# Altium PCB EVK-NORA-W1.PcbDoc (part 3 of 4)
Units mil, origin at the board's own origin, x right, y up, seen from the top; angles counter-clockwise.
Board outline 4300 x 2200 mil, 4 copper layers (L1, L2, L3, L4), stack 60.631 mil thick; 303 components, 180 nets, 998 pads, 676 vias.
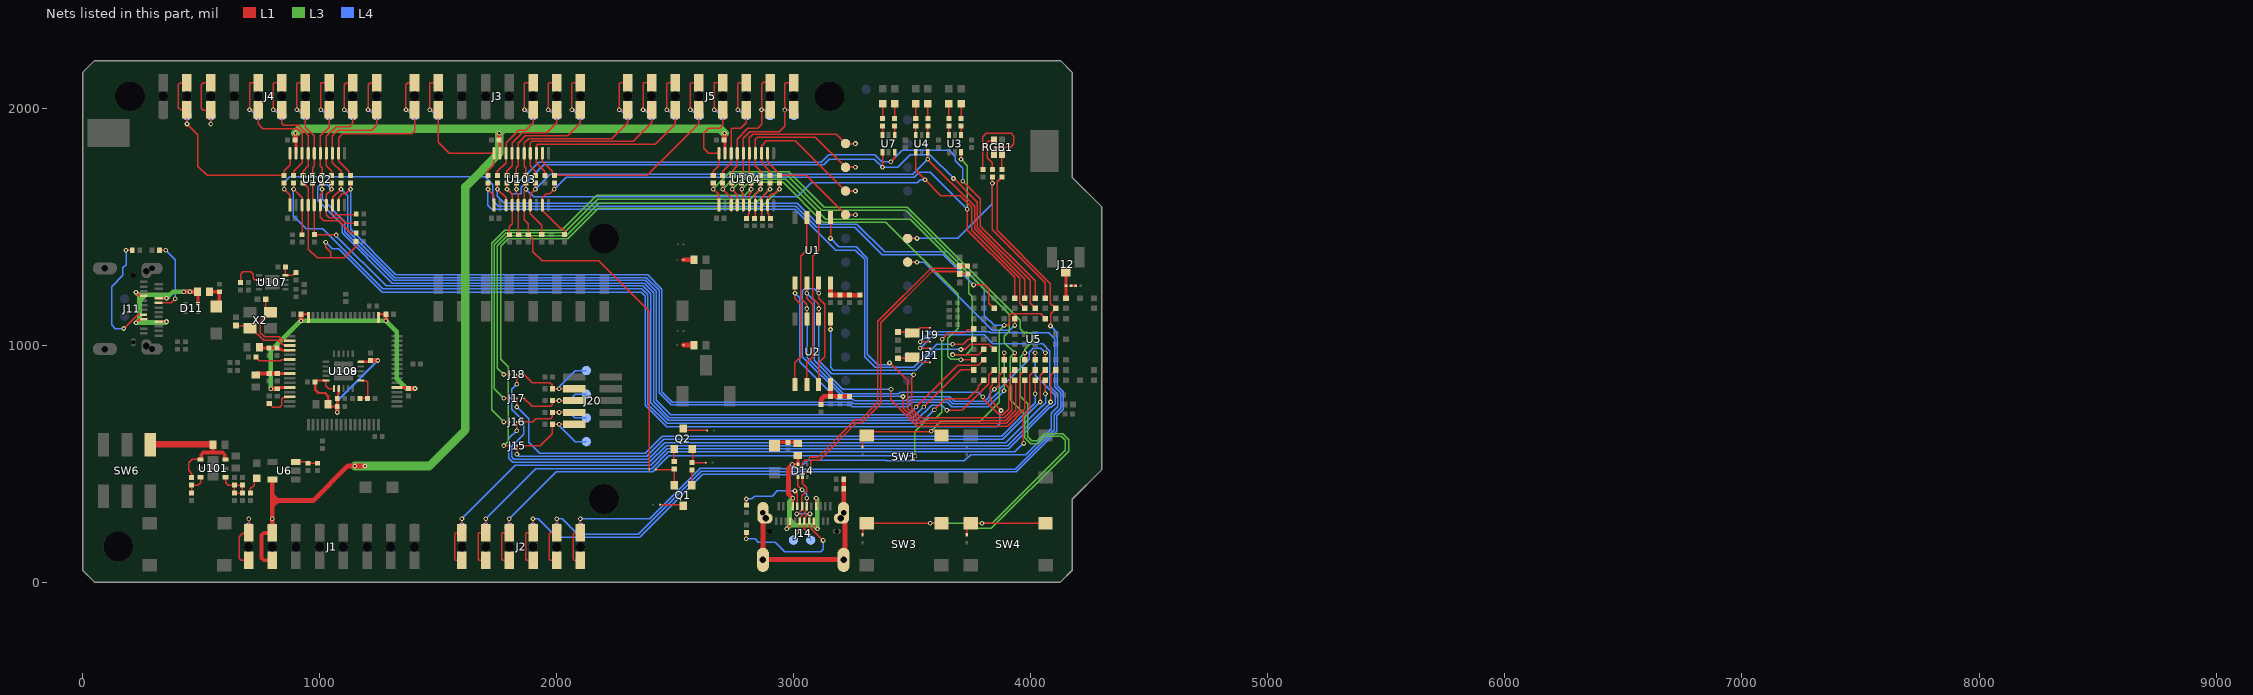
[diagram p5: the nets of this part, all layers, seen from the top]

## Via types
v1: diameter 20, hole 10, L1 to L4, 454 vias
v2: diameter 20, hole 10, L1 to L4, tented both sides, 203 vias
v3: diameter 19.68/19.68/19.68/19.68 (per signal layer), hole 11.81, L1 to L4, 19 vias

## Nets (pads, with @x,y where several pads share a name; then routed paths per layer and width w, separated by ;. In a path a pad name is that pad's centre, name@x,y a point inside that pad or via, vN(x,y) a via of type N, cw(c..) or ccw(c..) an arc to the next point about the centre after c; other vN are vias at no path point) (continued)
GPIO5/ADC1-CH4: J2.4 R77.1 TP24.1 U5.J8 | length 3923.7
  L1 w5.91: J2.4@1900,92.32 1872.46,92.32 1869,95.78 1869,204.22 1872.46,207.68 J2.4@1900,207.68 v2@1900,267 ; R77.1@3877,1709 3858,1690 3858,1483.7 4073.43,1268.28 4073.43,1268.11 4082.28,1259.25 4082.28,1177.56 U5.J8@4104.92,1154.92 4083,1133 v1(4083,1081)
  L4 w5.91: TP24.1@1900,230.32 1899.87,230.44 1899.87,266.87 v2(1899.75,267) 1922.95,267 1999.99,189.96 2349.66,189.96 2615.51,455.81 2934.89,455.81 2936.61,454.09 3031.39,454.09 3042.63,465.33 3938.41,465.33 4110,636.92 4110,701.89 4137.81,729.7 4137.81,803.3 4112.36,828.75 4112.36,1030.63 4110,1032.99 4110,1054 v1(4083,1081)
GPIO6/UART0-CTS: R23.2 R57.2 U4.3 U5.F9 U103.7 | length 2739.3
  L1 w5.91: R57.2@1910,1684.25 v1(1910,1658) 1888.39,1636.39 U103.7@1888.39,1590.73 1888.39,1554.35 1937,1505.73 R23.2@1937,1466.75 ; U4.3@3565.59,1813.58 v1(3565.59,1784) 3565.59,1782.78 3763,1585.37 3763,1490 3975,1278 U5.F9@3975,1198.23
  L4 w5.91: v1(1910,1658) 1973,1721 3502.59,1721 v1(3565.59,1784)
GPIO7/UART0-DSR: R30.2 R59.2 U3.3 U5.E9 U103.9 | length 2836.7
  L1 w5.91: R59.2@1990,1684.25 v1(1990,1658) 1970,1638 1955.03,1638 1939.57,1622.54 1939.57,1568.73 1943.32,1564.97 1943.32,1564.68 2015,1493 2023.54,1493 2027,1489.54 2027,1489 2033,1483 R30.2@2033,1466.75 ; v1(3705.59,1784) U3.3@3705.59,1813.58 ; v1(3732,1573) 3732,1485 3931.69,1285.31 U5.E9@3931.69,1198.23
  L3 w5.91: v1(3705.59,1784) 3732,1757.59 v1(3732,1573)
  L4 w5.91: v1(1990,1658) 2040,1708 3508,1708 3530,1730 3575,1730 v1(3732,1573)
GPIO8/ADC1-CH7: R79.1 TP108.1 TP612.1 U5.H9 | length 1148.5
  L1 w5.91: TP108.1@3480.31,1450 v1(3520,1450) ; R79.1@3838,1709.25 v1(3838,1683) 3838,1487 4061.61,1263.39 U5.H9@4061.61,1198.23
  L4 w5.91: TP612.1@3480.31,1450 v1(3520,1450) 3692,1450 3838,1596 v1(3838,1683)
GPIO9/ADC1-CH8: TP109.1 TP614.1 U5.E7 | length 646.8
  L1 w5.91: TP109.1@3480.31,1350 v1(3520,1350) ; v1(3931.69,1083) U5.E7@3931.69,1111.61
  L4 w5.91: TP614.1@3480.31,1350 v1(3520,1350) 3551,1350 3838,1063 3911.69,1063 v1(3931.69,1083)
GPIO10/FSPI-IO4: R51.2 U5.H3 U102.9 | length 3952.9
  L1 w5.91: U102.9@1079.57,1589.76 1079.57,1622.57 1095,1638 1110,1638 v1(1130,1658) R51.2@1130,1684.25 ; U5.H3@4061.61,938.39 v1(4061.61,967.28)
  L4 w5.91: v1(1130,1658) 1130,1488.33 1321.71,1296.62 2383.27,1296.62 2443.81,1236.08 2443.81,803.56 2487.8,759.57 3244.81,759.57 3251.85,752.52 3476.32,752.52 3493.61,769.81 3653.46,769.81 3671.46,751.81 3811.48,751.81 3868.1,808.43 3868.1,814.81 3993.86,940.57 3993.86,969.81 4010.19,986.14 4042.76,986.14 v1(4061.61,967.28)
GPIO11/ADC2-CH0: J2.1 TP21.1 U5.G3 | length 3251.3
  L1 w5.91: J2.1@1600,92.32 1572.46,92.32 1569,95.78 1569,204.22 1572.46,207.68 J2.1@1600,207.68 v2(1600,267) ; U5.G3@4018.31,938.39 v1@4018.31,967.28
  L4 w5.91: TP21.1@1600,230.32 v2(1600,267) 1826,493 2396,493 2466,563 3906.35,563 4080.35,737 4086.94,737 4102.13,752.19 4102.13,758.77 4102.38,759.03 4102.38,788.62 4018.31,872.69 v1@4018.31,967.28
  other v1: 4018,967.28
GPIO12/ADC2-CH1: J2.2 TP22.1 U5.G2 | length 3001.6
  L1 w5.91: J2.2@1700,92.32 1672.46,92.32 1669,95.78 1669,204.22 1672.46,207.68 J2.2@1700,207.68 v2(1700,267) ; v1(3969.83,585.17) 3969,586 3969,702.79 3995.67,729.46 3995.67,872.44 U5.G2@4018.31,895.08
  L4 w5.91: TP22.1@1700,230.32 v2(1700,267) 1912,479 2400,479 2471,550 3933,550 3968.17,585.17 v1(3969.83,585.17)
GPIO13/ADC2-CH2: J2.3 TP23.1 U5.A6 | length 2807.4
  L1 w5.91: J2.3@1800,92.32 1772.46,92.32 1769,95.78 1769,204.22 1772.46,207.68 J2.3@1800,207.68 v2@1800,267 ; v3(3626,1025) 3652.28,1051.28 3720.6,1051.28 3733.86,1064.54 3754.7,1064.54 U5.A6@3758.46,1068.31
  L3 w5.91: v3(3511,531.3) 3511,634.34 3569.66,693 3601,693 3625,717 3625,1024 v3(3626,1025)
  L4 w5.91: v2(1799.75,267) 1997.75,465 2404,465 2473,534 3500.65,534 3500.72,533.94 3508.36,533.94 v3(3511,531.3) ; TP23.1@1799.87,225.13 v2@1799.87,266.87
GPIO14/FSPI-DQS: R52.2 U5.A5 U103.1 | length 2794.8
  L1 w5.91: R52.2@1710,1683.28 v1(1710,1658) 1734.84,1633.16 U103.1@1734.84,1590.73 U103.1@1734.84,1588.79 ; v1(3670,1003.35) 3714.65,1003.35 3736.31,1025 U5.A5@3758.46,1025
  L4 w5.91: v1(1710,1658) 1710,1589 1726,1573 3004,1573 3176,1401 3260,1401 3299,1362 3299,951.67 3344.67,906 3506.78,906 3604.12,1003.35 v1(3670,1003.35)
GPIO15/ADC2-CH4: J2.5 J19.3 TP25.1 | length 3624.1
  L1 w5.91: J2.5@2000,92.32 1972.46,92.32 1969,95.78 1969,204.22 1972.46,207.68 J2.5@2000,207.68 v2(2000,267) ; v1(3533,1013) 3533.92,1013.92 J19.3@3575,1013.92
  L4 w5.91: TP25.1@2000,230.32 v2(2000,267) 2022.95,267 2088.18,201.77 2344.77,201.77 2610.62,467.62 2939.78,467.62 2941.5,465.91 3026.5,465.91 3037.74,477.14 3933.51,477.14 4098.19,641.82 4098.19,706.78 4126,734.59 4126,798.41 4100.55,823.86 4100.55,1025.74 4075.09,1051.19 3829.37,1051.19 3825.05,1055.51 3575.51,1055.51 v1(3533,1013)
GPIO16/ADC2-CH5: J2.6 J21.3 TP26.1 | length 3412.2
  L1 w5.91: J2.6@2100,92.32 2072.46,92.32 2069,95.78 2069,204.22 2072.46,207.68 J2.6@2100,207.68 v2@2100,267 ; v1(3533,987) 3533.92,986.08 J21.3@3575,986.08
  L4 w5.91: TP26.1@2100,230.32 2099.87,230.44 2099.87,266.87 v2(2099.75,267) 2393.3,267 2605.73,479.43 2944.68,479.43 2946.39,477.72 3021.61,477.72 3058.75,514.86 3388.21,514.86 3390.47,512.6 3719.93,512.6 3745.52,538.19 3977.86,538.19 4086.38,646.71 4086.38,711.67 4114.19,739.49 4114.19,793.51 4080.57,827.13 4080.57,975 4049.43,1006.14 3840.25,1006.14 3802.69,1043.7 3590.37,1043.7 3533.67,987 v1(3533,987)
GPIO17/I2C-SCL: R64.2 U5.A3 U104.5 | length 1610.6
  L1 w5.91: R64.2@2780,1684.25 v1(2780,1658) 2781.03,1656.97 2781.03,1644.17 2787.2,1638 U104.5@2787.2,1590.73 ; v1(3705,938.39) U5.A3@3758.46,938.39
  L3 w5.91: v1(2780,1658) 2809,1687 2955,1687 3123,1519 3388,1519 3693,1214 3693,1072 3650,1029 3650,953.37 3662.19,941.18 3694.49,941.18 3694.59,941.08 3702.3,941.08 v1(3705,938.39)
GPIO18/I2C-SDA: R63.2 U5.B4 U104.4 | length 1832.1
  L1 w5.91: v1@2740,1655.18 v1(2740,1658) ; R63.2@2740,1684.25 v1(2740,1658) ; U104.4@2761.61,1590.73 2761.61,1635 2740,1656.61 v1(2740,1658) ; v1(3670,960.04) 3780.12,960.04 U5.B4@3801.77,981.69
  L3 w5.91: v1(2740,1658) 2782,1700 2966,1700 3135,1531 3492,1531 3738,1285 3738,1219 3753,1204 3753,986.39 3726.65,960.04 v1(3670,960.04)
GPIO21: R43.2 U5.C8 U102.1 | length 3440.3
  L1 w5.91: R43.2@850,1684.25 v1(850,1658) 874.19,1633.81 874.19,1591.39 U102.1@874.84,1590.73 ; v1(3758.46,1254) 3801.77,1254 3822.44,1233.33 3822.44,1177.56 U5.C8@3845.08,1154.92
  L4 w5.91: v1(850,1658) 850,1686 874,1710 1698,1710 1731,1677 1731,1608 1753,1586 3009,1586 3097,1498 3257,1498 3374,1381 3630.46,1381 v1@3758.46,1253
GPIO33/FSPI-HD: R17.2 R50.2 U5.D3 U102.8 | length 3995.3
  L1 w5.91: R50.2@1090,1684.25 v1(1090,1658) 1055.41,1623.41 1055.41,1592.17 U102.8@1053.98,1590.73 1053.98,1555.02 1060,1549 1150.25,1549 R17.2@1154.25,1553 ; U5.D3@3888.39,938.39 v1(3888.39,967.28)
  L3 w5.91: v1(3886.95,807) 3888.39,808.43 v1(3888.39,967.28)
  L4 w5.91: v1@1090,1654.57 1093.43,1654.57 1118.19,1629.81 1118.19,1483.44 1316.82,1284.81 2378.38,1284.81 2432,1231.19 2432,798.67 2482.91,747.76 3239.91,747.76 3246.96,740.71 3481.21,740.71 3498.51,758 3648.44,758 3666.44,740 3819.95,740 v1(3886.95,807)
GPIO34/FSPI-CS0: R15.2 R48.2 U5.B3 U102.6 | length 3925.4
  L1 w5.91: R48.2@1010,1684.25 v1(1010,1658) 1010,1642 1002.8,1634.8 U102.6@1002.8,1590.73 1002.8,1539.2 1017,1525 1080,1525 1132,1473 R15.2@1154.25,1473 ; v3(3516,739.3) 3692.45,915.75 3779.13,915.75 U5.B3@3801.77,938.39
  L4 w5.91: v1(1010,1658) 1010,1617 1106.38,1520.62 1106.38,1478.55 1311.92,1273 2373.49,1273 2420.19,1226.3 2420.19,768.14 2481.19,707.14 3483.84,707.14 v3(3516,739.3)
GPIO35/FSPI-D: R13.2 R47.2 U5.C2 U102.5 | length 3808.4
  L1 w5.91: R47.2@970,1684.25 970,1617.92 977.2,1610.72 U102.5@977.2,1590.73 977.2,1466.95 R13.2@978.25,1465.91 ; R13.2@982.25,1465.91 v1@1070.24,1465.91 ; v1(3645.88,724.71) 3710.86,724.71 3822.44,836.29 3822.44,872.44 U5.C2@3845.08,895.08
  L4 w5.91: v1(1069.59,1464) 1069.59,1460.19 1074.9,1454.88 1074.9,1454.45 1279.97,1249.38 2363.7,1249.38 2396.57,1216.51 2396.57,756.03 2470.51,682.09 3517.32,682.09 3581.23,746 3624.59,746 v1(3645.88,724.71)
GPIO36/FSPI-CLK: R12.2 R44.2 U5.B1 U102.3 | length 3969.6
  L1 w5.91: R44.2@890,1684.25 v1(890,1658) 926.02,1621.98 R12.2@926.02,1465.77 ; v3(3593,727.3) 3638.76,773.06 3734.2,773.06 3777.32,816.19 3777.32,827.32 U5.B1@3801.77,851.77
  L4 w5.91: v1@889,1654.57 889,1545 944,1490 1012.7,1490 1265.14,1237.57 2358.81,1237.57 2384.76,1211.62 2384.76,751.13 2465.61,670.28 3535.98,670.28 v3(3593,727.3)
GPIO37/FSPI-Q: R14.2 R45.2 U5.C1 U102.4 | length 4275
  L1 w5.91: R45.2@930,1684.25 930.59,1684.25 951.61,1663.23 U102.4@951.61,1590.73 951.61,1405.22 989.28,1367.56 1046.13,1367.56 ; v1(1025,1434.25) 1025,1413 1046.13,1391.87 1046.13,1367.56 ; R14.2@1153.38,1436.41 1153.38,1416.72 1104.21,1367.56 1046.13,1367.56 ; U5.C1@3845.08,851.77 3836.22,842.91 3836.22,829.89 3828.14,821.81 3828.14,770.19 v1(3874.25,724.08)
  L4 w5.91: v1(1025,1434.25) 1053.31,1405.94 1080.06,1405.94 1263,1223 2356.67,1223 2372.94,1206.73 2372.94,746.05 2464,655 3855.49,655 3869,668.51 3869,715.01 3874.25,720.27 v1(3874.25,724.08)
GPIO38/FSPI-WP: R16.2 R49.2 U5.A2 U102.7 | length 3930.8
  L1 w5.91: R49.2@1050,1684.25 v1(1050,1658) 1050,1656.23 1028.39,1634.61 U102.7@1028.39,1590.73 1028.39,1549.61 1041,1537 1085.39,1537 1109.39,1513 R16.2@1154.25,1513 ; v3(3548.09,739.3) 3703.87,895.08 U5.A2@3758.46,895.08
  L4 w5.91: v1(1050,1658) 1031.14,1676.86 1002.19,1676.86 991.14,1665.81 991.14,1610.36 1094.57,1506.93 1094.57,1473.65 1307.03,1261.19 2368.6,1261.19 2408.38,1221.41 2408.38,760.92 2475.4,693.9 3502.69,693.9 v3(3548.09,739.3)
GPIO39: J16.3 R2.1 R65.2 U104.6 | length 2158
  L1 w5.91: v1(1776,676) J16.3@1801.92,676 ; R2.1@2800,1534.75 2800.48,1534.75 2807.76,1542.03 2807.76,1551.76 2812.8,1556.8 U104.6@2812.8,1590.73 2812.8,1636.8 2820,1644 v1@2820,1665.2 ; v1@2812.8,1658 v1@2820,1665.2 ; R65.2@2820,1684.25 v1@2820,1665.2
  L3 w5.91: v1(1776,676) 1725.19,726.81 1725.19,1429.19 1781,1485 2022,1485 2169,1632 2793,1632 2819,1658 v1(2820,1658)
GPIO39/JTAG-TCK: J16.2 U5.J2 | length 2709.7
  L1 w5.91: v1(1831,639) 1831,675.53 J16.2@1831.47,676 ; v1(4083.27,760) 4083.27,873.42 U5.J2@4104.92,895.08
  L4 w5.91: v1(1831,639) 1798.19,606.19 1798.19,523.11 1815.3,506 2391,506 2461,576 3902,576 4083.27,757.27 v1(4083.27,760)
GPIO40: J17.3 R3.1 R66.2 U104.7 | length 2068.7
  L1 w5.91: v1(1776,776) J17.3@1801.92,776 ; R3.1@2834,1534.75 2838.39,1539.13 U104.7@2838.39,1590.73 2838.39,1636.8 v1(2859.59,1658) ; v1@2860,1658 R66.2@2860,1683.28
  L3 w5.91: v1(1776,776) 1737,815 1737,1424 1786,1473 2032,1473 2174,1615 2816.59,1615 v1(2859.59,1658)
GPIO40/JTAG-TDO: J17.2 U5.G1 | length 2547.8
  L1 w5.91: v1(1831,739) 1831,775.53 J17.2@1831.47,776 ; v1(4018.31,795) U5.G1@4018.31,851.77
  L4 w5.91: v1(1831,739) 1881,689 1881,590 1928.19,542.81 2373.81,542.81 2446,615 3877.24,615 4018.31,756.06 v1(4018.31,795)
GPIO41: J18.3 R4.1 R67.2 U104.8 | length 1994.4
  L1 w5.91: v1(1776,876) J18.3@1801.92,876 ; R4.1@2868,1534.75 2863.98,1538.77 U104.8@2863.98,1590.73 2863.98,1622.39 v1(2899.59,1658) R67.2@2899.59,1683.84
  L3 w5.91: v1(1776,876) 1750,902 1750,1420 1791,1461 2041,1461 2178,1598 2839.59,1598 v1(2899.59,1658)
GPIO41/JTAG-TDI: J18.2 U5.H1 | length 2849.7
  L1 w5.91: v1(1831,835) 1831,875.53 J18.2@1831.47,876 ; v1(4061.61,795) U5.H1@4061.61,851.77
  L4 w5.91: v1(1831,835) 1810,814 1810,730 1861,679 1861,623.51 1810,572.51 1810,528 1819,519 2386,519 2456,589 3894.35,589 4046.49,741.14 4047.77,741.14 4058.82,752.19 4058.82,753.47 4062.48,757.13 4062.48,794.13 v1(4061.61,795)
GPIO42: J15.3 R1.1 R68.2 U104.9 | length 2346.6
  L1 w5.91: v1(1777,576) J15.3@1802.92,576 ; R1.1@2902,1534.75 2901.41,1534.75 2894.13,1542.03 2894.13,1551.87 2889.57,1556.43 U104.9@2889.57,1590.73 2889.57,1621.31 2906.26,1638 2919.59,1638 v1(2939.59,1658) R68.2@2939.59,1683.84
  L3 w5.91: v1(1777,576) 1795,594 1795,909 1763,941 1763,1416 1796,1449 2047,1449 2175,1577 2858.59,1577 v1(2939.59,1658)
GPIO42/JTAG-TMS: J15.2 U5.H2 | length 2487.2
  L1 w5.91: v1@1832.47,539 J15.2@1832.47,576 ; v1(4039.96,760) 4039.96,873.42 U5.H2@4061.61,895.08
  L4 w5.91: v1(1832,539) 1834.51,539 1842.51,531 2380,531 2451,602 3881.96,602 v1(4039.96,760)
GPIO43/UART0-TxD: R22.2 R54.2 U5.G8 U7.1 U103.4 | length 3029.6
  L1 w5.91: R54.2@1790,1683.28 v1(1790,1658) 1811.61,1636.39 U103.4@1811.61,1590.73 1811.61,1511 1800,1499.39 R22.2@1800,1465.75 ; v1(3374.41,1750) U7.1@3374.41,1813.58 ; v1(3674,1703) 3775,1602 3775,1496 3996.65,1274.35 3996.65,1176.58 U5.G8@4018.31,1154.92
  L4 w5.91: v1(1790,1658) 1810,1638 1847.68,1638 1851.14,1641.46 1851.14,1665.27 1945.87,1760 3126,1760 3150,1784 3340.41,1784 v1(3374.41,1750) 3439,1750 3491.86,1802.86 3574.14,1802.86 v1(3674,1703)
GPIO44/UART0-RxD: R20.2 R55.2 U5.G9 U7.3 U103.5 | length 2972.3
  L1 w5.91: R55.2@1830,1683.28 v1(1830,1658) 1830.21,1657.79 1830.21,1642.79 1837.2,1635.8 U103.5@1837.2,1590.73 1837.2,1468.54 R20.2@1840,1465.75 ; v1(3409,1773) 3425.59,1789.59 U7.3@3425.59,1813.58 ; v1(3713,1691) 3787,1617 3787,1502 4018.31,1270.69 U5.G9@4018.31,1198.23
  L4 w5.91: v1(1830,1658) 1830,1678 1923.81,1771.81 3116.81,1771.81 3147.86,1802.86 3342.14,1802.86 3372,1773 v1(3409,1773) 3409,1773.67 3456.19,1820.86 3457.86,1820.86 3458,1821 3656,1821 3682,1795 3682,1777 3713,1746 v1(3713,1691)
GPIO45/UART0-RTS: JRMOD4.2 R29.2 R56.2 U4.1 U5.F8 U103.6 | length 4197
  L1 w5.91: R56.2@1870,1684.25 v1(1870,1657.46) 1870,1653.64 1862.8,1646.44 U103.6@1862.8,1590.73 1862.8,1528.76 1880,1511.56 R29.2@1880,1465.75 1887.28,1458.46 1889.38,1458.46 1899.69,1448.16 1899.69,1394.32 1938.19,1355.81 2177.58,1355.81 2390,1143.39 JRMOD4.2@2390,475 ; U4.1@3514.41,1813.58 3514.41,1737.29 3554.7,1697 v1@3554.23,1696.52 ; v1(3553.75,1697) v1@3554.23,1696.52 ; U5.F8@3975,1154.92 3952.36,1177.56 3952.36,1282.64 3751,1484 3751,1580.67 3701.67,1630 3620.75,1630 v1@3554.23,1696.52
  L4 w5.91: v1(1870,1657.46) 1902.46,1625 3014,1625 3073.38,1684.38 3521.08,1684.38 3533.7,1697 v1(3553.75,1697)
GPIO46: D21.1 R53.2 SW1.1 SW1.2 U5.H7 U103.3 | length 3843.8
  L1 w5.91: v1(1750,1658) 1786.02,1621.98 U103.3@1786.02,1590.73 ; v1@1750,1664.03 R53.2@1750,1684.25 ; D21.1@3290,570 3290,601.06 SW1.1@3307.52,618.58 3323.94,635 3578.86,635 v1(3580,636.14) ; v1@3580,637 3580.86,636.14 3604.92,636.14 SW1.2@3622.48,618.58 ; v1(3888.39,1083) 3904,1083 3910.04,1089.04 3910.04,1126.11 3916.21,1132.28 4040.94,1132.28 U5.H7@4061.61,1111.61
  L3 w5.91: v1(3580,636.14) 3580,637 3621,678 3786,678 3866,758 3866,1060.61 v1(3888.39,1083)
  L4 w5.91: v1(1750,1658) 1750,1627.19 1778.19,1599 3014,1599 3103,1510 3266,1510 3383,1393 3648,1393 3804,1237 3804,1124.43 3845.43,1083 v1(3888.39,1083)
GPIO47/SPI-CLKp: D23.1 R60.2 SW3.1 SW3.2 U5.F3 U104.1 | length 3630.4
  L1 w5.91: R60.2@2660.41,1683.84 v1(2660.41,1658) 2684.84,1633.57 U104.1@2684.84,1590.73 ; D23.1@3290,200 3290,231.06 SW3.1@3307.52,248.58 3354,248.58 v1(3576,248.58) SW3.2@3622.48,248.58 ; U5.F3@3975,938.39 v1(3975,967.28)
  L3 w5.91: v1(2660.41,1658) 2660.41,1660.41 2731,1731 2979,1731 3129,1581 3478,1581 3955,1104 3955,1068 3970,1053 3997,1053 4009.35,1040.65 4009.35,1017.35 3975,983 v1(3975,967.28) ; v1(3576,248.58) 3740.42,248.58 3762,227 3834,227 4159,552 4159,601.7 4133.89,626.81 4056.11,626.81 4026.3,597 4003.7,597 3987,613.7 3987,753.02 3956.14,783.87 3956.14,948.8 v1@3974.81,967.47
GPIO48/SPI-CLKn: D24.1 R61.2 SW4.1 SW4.2 U5.E3 U104.3 | length 3287.2
  L1 w5.91: R61.2@2700,1684.25 v1(2700,1658) 2736.02,1621.98 U104.3@2736.02,1590.73 ; D24.1@3730,200 3730,231.06 SW4.1@3747.52,248.58 v1(3794,248.58) SW4.2@4062.48,248.58 ; U5.E3@3931.69,938.39 v1(3931.69,967.28)
  L3 w5.91: v1(2700,1658) 2756,1714 2974,1714 3119,1569 3472,1569 3910,1131 3910,1058 3888.45,1036.45 3888.45,1010.53 v1(3931.69,967.28) 3912.83,948.43 3912.83,769.17 3974,708 3974,610 4000,584 4030,584 4061,615 4129,615 4146,598 4146,557 3837.58,248.58 v1(3794,248.58)
IOREF: C26.1 C27.1 C29.1 J1.2 TP12.1 U6.5 U102.19 U103.19 U104.19 | length 4923.6
  L1 w10: U102.19@900.35,1810.31 U102.19@900.43,1810.24 ; U104.19@2710.43,1809.27 U104.19@2710.43,1809.27
  L1 w12: C29.1@897.72,1865 900.35,1862.36 U102.19@900.35,1810.31 ; C27.1@1757.72,1865 1760.43,1862.28 U103.19@1760.43,1809.27 ; C26.1@2707.72,1865 2710.43,1862.28 U104.19@2710.43,1810.24
  L1 w16: J1.2@800,92.32 764.37,92.32 755,101.7 755,198.3 764.37,207.68 J1.2@800,207.68
  L1 w20: J1.2@800,207.68 800,321.24 ; U6.5@800.79,432.6 800,431.81 800,367.27 ; C29.1@897.72,1865 v1(897.72,1894) ; v1(1191,490) 1118,490 972.25,344.25 823.01,344.25 ; C27.1@1757.72,1865 v1(1757.72,1894) ; C26.1@2707.72,1865 v1(2707.72,1894) ; 800,321.24 800,344.25 ; 800,321.24 823.01,344.25 ; 800,344.25 800,367.27 ; 800,344.25 823.01,344.25 ; 800,367.27 823.01,344.25
  L3 w36: v1(897.72,1894) 915.72,1912 1776,1912 ; v1(1148,490) 1462.61,490 1615,642.39 1615,1667 1757.72,1809.72 v1(1757.72,1894) ; v1@1759,1895 1776,1912 ; v1(2707.72,1894) 2689.72,1912 1776,1912
  L4 w10: TP12.1@800,225 TP12.1@800,230.32 v1(800,267)
JTAG-TCK: J16.1 J20.4 R5.2 TP2.1 | length 366.1
  L1 w5.91: J16.1@1861,676 1894.3,676 1896,674.3 1911.7,690 1974.2,690 1981.75,697.55 R5.2@1981.75,716 v1(2010,716) J20.4@2074.23,716
  L4 w5.91: v1(2010,716) 2054.61,716 2076.61,694 TP2.1@2125,694
JTAG-TDI: J18.1 J20.8 R6.2 TP3.1 | length 398.5
  L1 w5.91: J18.1@1861,876 1896,841 1971.45,841 1980.22,832.23 1980.22,817.53 R6.2@1981.75,816 v1(2010,816) J20.8@2074.23,816
  L4 w5.91: v1(2010,816) 2012.7,818.7 2012.7,827.31 2078,892.61 TP3.1@2125,892.61
JTAG-TDO: J17.1 J20.6 R7.2 TP4.1 | length 374.6
  L1 w5.91: J17.1@1861,776 1896,741 1973.96,741 1981.75,748.79 R7.2@1981.75,766 v1(2010,766) J20.6@2074.23,766
  L4 w5.91: v1(2010,766) 2051.39,766 2078.89,793.51 TP4.1@2125,793.51
JTAG-TMS: J15.1 J20.2 R8.2 TP1.1 | length 411.3
  L1 w5.91: J15.1@1862,576 1930,576 1981,627 1981,665.25 R8.2@1981.75,666 v1(2010,666) J20.2@2074.23,666
  L4 w5.91: v1@2012.7,657.92 2078,592.61 TP1.1@2125,592.61
MODUSB-D_n: C43.1 D14.1 J14.A7 J14.B7 R27.1 TP141.1 | length 1615
  L1 w7: v1(3012.08,210) 3025.24,223.16 J14.B7@3025.24,257.31 3027.05,259.12 3027.05,275.05 3052.95,300.95 3052.95,318.48 J14.A7@3054.76,320.3 v1(3054.76,354) ; J14.B7@3025.43,257.31 J14.B7@3027.24,259.12 ; v1(3035.08,390) 3034.57,390 3017.36,407.21 D14.1@3017.36,443.43 3017.36,468.51 3036.94,488.09 3036.94,504.85 3046.93,514.84 3057.76,514.84 3070.76,527.84 3101.84,527.84 3259,685 3281.14,685 3354.41,758.26 3354.41,1100.23 3577.67,1323.5 3690.22,1323.5 3691.3,1324.58 3691.3,1325.3 C43.1@3700,1334 R27.1@3733.25,1334
  L4 w7: TP141.1@2998.66,177.16 v1(3012.08,210) ; v1(3035.08,390) 3054.76,370.31 v1(3054.76,354)
MODUSB-D_p: C44.1 D14.2 J14.A6 J14.B6 R26.1 TP142.1 | length 1662.2
  L1 w7: v1(3012,287.82) 3014.49,290.31 3019.73,290.31 3030.11,300.69 3030.11,302.93 3033.26,306.08 3033.26,318.48 J14.A6@3035.08,320.3 3034.26,321.11 3034.26,365 3039.58,370.32 3043.23,370.32 3054.76,381.85 3054.76,398.15 3041.66,411.26 3041.15,411.26 3037.05,415.36 D14.2@3037.05,443.43 3039.45,445.83 3039.45,454.21 3054.26,469.02 3057.24,469.02 3072.04,483.82 3072.04,510.74 3076.14,514.84 3107.22,514.84 3264.38,672 3286.53,672 3367.41,752.88 3367.41,1094.85 3583.06,1310.5 3690.48,1310.5 3691.3,1309.69 3691.3,1308.71 C44.1@3700,1300 R26.1@3734.25,1300 ; J14.B6@3045.11,257.31 J14.B6@3046.93,259.12 ; v1(3058.08,210) 3044.92,223.16 J14.B6@3044.92,257.31 3046.74,259.12 3046.74,273.74 3058.33,285.33 3065.51,285.33 v1(3068,287.82)
  L4 w7: v1@3011,287.82 v1(3012,287.82) v1(3068,287.82) v1@3069,287.82 ; v1(3058.08,210) TP142.1@3071.5,177.16
NetC1_1: C1.1 C3.1 C34.1 C38.1 F5.2 U109.10 U109.11 U109.12 U109.20 | length 753.4
  L1 w5.91: U109.10@1026.56,850.63 1026.56,828.11 1038.11,816.56 U109.11@1060.63,816.56 ; C34.1@1209.12,929.37 C34.1@1215,935.25 C34.1@1215.25,935
  L1 w10: U109.10@1026.56,850.63 986.38,850.63 C3.1@980.75,845 980.75,812.25 995,798 1022.09,798 1035.59,784.5 F5.2@1035.59,750 1044.59,741 C38.1@1074.25,741 C1.1@1074.25,775 1077.42,778.17 1077.42,794.11 1080.32,797 U109.12@1080.32,816.56 ; v1@1074.25,715 v1(1074.25,716) ; U109.20@1173.44,929.37 C34.1@1209.12,929.37
  L1 w20: v1(1074.25,716) C38.1@1074.25,741 ; C34.1@1215.25,935 v1(1245,935)
  L4 w10: v1(1074.25,716) 1074.25,764.25 v1(1245,935)
NetC7_2: C7.2 D3.A F2.2 | length 108.6
  L1 w16: F2.2@535.59,1225 535.72,1225.13 C7.2@576.28,1225.13 ; D3.A@564,1163.09 576.28,1175.37 C7.2@576.28,1225.13 ; C7.2@577,1225.25 576.87,1225.13 C7.2@576.28,1225.13
NetC8_1: C8.1 J19.1 X1.2 | length 145.9
  L1 w5.91: C8.1@3440,1055.72 3495.47,1055.72 X1.2@3500,1051.18 3510.83,1051.18 3532.65,1073 J19.1@3575,1073
NetC10_1: C10.1 C30.1 F4.2 U108.4 | length 133.2
  L1 w12: F4.2@745.59,991 748.84,987.75 C30.1@786,987.75 C10.1@820,987.75 824.24,983.51 836.64,983.51 841.57,978.58 U108.4@873.62,978.58
NetC11_1: C11.1 J21.1 X1.1 | length 145.9
  L1 w5.91: C11.1@3440,944.28 3495.47,944.28 X1.1@3500,948.82 3510.83,948.82 3532.65,927 J21.1@3575,927
NetC12_1: C12.1 C45.1 R11.2 R69.2 U1.8 | length 174.9
  L1 w5.91: R11.2@3235,1211.75 R11.2@3236,1210.75
  L1 w20: U1.8@3155,1262.2 C12.1@3155,1211.75 R69.2@3195,1211.75 R11.2@3235,1211.75 ; R11.2@3236,1210.75 C45.1@3279,1210.75
NetC14_1: C14.1 C31.1 F3.2 U108.9 | length 144.5
  L1 w12: C14.1@821,880.16 U108.9@873.62,880.16
  L1 w16: F3.2@730,874.59 735.41,880 C31.1@786.25,880 ; C31.1@787.59,880.16 C14.1@821,880.16
NetC18_1: C18.1 R39.2 SW6.1 U101.1 U101.6 | length 573.6
  L1 w5.91: R39.2@461,440.75 461,457 447,471 447,503 461.4,517.4 U101.1@497.24,517.4
  L1 w16: U101.1@497.24,517.4 499.36,517.4 500.22,518.26 500.22,537.63 509.59,547 550,547 ; C18.1@550.41,580 550,579.59 550,547 ; U101.6@602.76,517.4 600.64,517.4 599.78,518.26 599.78,537.63 590.41,547 550,547
  L1 w28: SW6.1@285.04,578.94 287.1,581 427.56,581 ; 429.56,581 C18.1@549.65,581
NetC24_1: C24.1 C47.1 R70.2 R71.2 U2.8 | length 197.5
  L1 w20: C47.1@3115,749.75 3115.54,749.75 3115.77,749.98 3115.77,772.03 3127.49,783.75 C24.1@3155,783.75 ; U2.8@3155,834.2 C24.1@3155,783.75 ; R70.2@3235,783.75 R71.2@3195,783.75 C24.1@3155,783.75
NetC32_1: C32.1 C33.1 C35.1 C61.1 U108.12 U108.37 U108.49 U108.64 | length 1358.8
  L1 w12: C35.1@821,815.75 825.24,819.98 831.74,819.98 832.86,821.1 U108.12@873.62,821.1 ; C61.1@921.1,1129.65 C61.1@920.75,1130 952.27,1130 952.36,1129.91 U108.64@952.36,1116.38 ; U108.49@1247.64,1116.38 1247.64,1129.91 1247.73,1130 C32.1@1279.25,1130 ; U108.37@1326.38,821.1 1371.06,821.1 C33.1@1375,817.17
  L1 w20: v1(794,815.75) C35.1@821,815.75 ; v1(921.1,1103) C61.1@921.1,1129.65 ; v1(1279.25,1103) C32.1@1279.25,1130 ; C33.1@1375,817.17 v1(1402,817.17)
  L3 w20: v1(794,815.75) 794,975.9 v1@920.61,1102.5 ; v1(921.1,1103) v1(1279.25,1103) 1325,1057.25 1325,858 1365.83,817.17 v1(1402,817.17)
NetC36_1: C36.1 U108.2 X2.1 | length 307.7
  L1 w5.91: C36.1@772.72,1193 772.72,1158.15 X2.1@792.4,1138.46 ; X2.1@793.31,1138.46 X2.1@792.4,1138.46 ; U108.2@873.62,1017.95 871.57,1020 845,1020 830.44,1034.56 767.44,1034.56 750,1052 750,1100.08 788.39,1138.46 X2.1@792.4,1138.46
NetC37_1: C37.1 U108.3 X2.3 | length 261.4
  L1 w5.91: C37.1@647,1082.28 695.94,1082.28 X2.3@706.69,1071.54 711.61,1071.54 763.15,1020 826,1020 845,1001 870.89,1001 U108.3@873.62,998.27
NetC42_1: C42.1 J12.1 U5.K9 | length 112.4
  L1 w8: J12.1@4147.64,1311.02 J12.1@4148.23,1310.43
  L1 w11.2: U5.K9@4148.23,1198.23 C42.1@4148.23,1249.41 ; C42.1@4148.23,1250 J12.1@4148.23,1310.43
NetC42_2: C42.2 L1.1 | length 19.3
  L1 w11.2: C42.2@4169.88,1250 L1.1@4189.17,1250
NetC46_2: C46.2 D2.A F1.2 | length 105.8
  L1 w16: D2.A@2919,575.09 2933.66,589.75 C46.2@2975,589.75 3012.84,589.75 F1.2@3017,585.59
NetC50_2: C50.2 J14.SHLD R62.1 | length 895.8
  L1 w5.91: J14.SHLD@3208.46,291.13 J14.SHLD@3210.08,292.74 ; J14.SHLD@3208.46,294.71 J14.SHLD@3210.08,293.1
  L1 w20: J14.SHLD@2869.92,292.74 J14.SHLD@2869.92,93.92 2871.54,95.54 3208.46,95.54 J14.SHLD@3210.08,93.92 ; J14.SHLD@3208.46,294.71 3210.76,297.01 C50.2@3210.76,394 R62.1@3210.76,434 ; J14.SHLD@3210.08,105.08 3216,111 3216,257.79 3210.08,263.71 J14.SHLD@3210.08,292.74 J14.SHLD@3222.87,279.94
NetD4_1: D4.1 R76.2 | length 62.8
  L1 w5.91: R76.2@3374.41,1955.75 D4.1@3374.41,2018.5
NetD5_1: D5.1 R93.2 | length 62.8
  L1 w5.91: R93.2@3425.59,1955.75 D5.1@3425.59,2018.5
NetD6_1: D6.1 R74.2 | length 62.8
  L1 w5.91: R74.2@3514.41,1955.75 D6.1@3514.41,2018.5
NetD7_1: D7.1 R75.2 | length 62.8
  L1 w5.91: R75.2@3565.59,1955.75 D7.1@3565.59,2018.5
NetD8_1: D8.1 R72.2 | length 62.8
  L1 w5.91: R72.2@3654.41,1955.75 D8.1@3654.41,2018.5
NetD9_1: D9.1 R73.2 | length 62.8
  L1 w5.91: R73.2@3705.59,1955.75 D9.1@3705.59,2018.5
NetD10_1: D10.1 R80.2 | length 73.9
  L1 w5.91: R80.2@708,375.75 708,393 723,408 723,426.5 D10.1@735,438.5
NetD11_5: D11.5 F2.1 J11.A4 J11.A9 J11.B4 J11.B9 | length 859
  L1 w10: v1(225,1093.75) v1@225.25,1093.99 ; v1(225,1223.18) 240.19,1207.99 256.99,1207.99 J11.B9@257.31,1207.68 ; v1@225.11,1093.99 v1@225.25,1093.99 ; J11.B4@257.31,1109.25 256.99,1108.94 240.19,1108.94 v1@225.25,1093.99 ; J11.A9@320.3,1099.22 v1(354,1099.22) ; J11.A4@320.3,1197.65 v1(354,1197.65)
  L1 w12: D11.5@486.57,1175.68 F2.1@486.57,1222.83
  L1 w20: v1(427,1225) v1(453,1225) F2.1@484.41,1225 F2.1@486.57,1222.83
  L3 w20: v1(225,1093.75) v1@226.25,1095 ; v1(225,1223.18) 240,1208.18 ; 236.18,1212 266,1212 ; v1(354,1099.22) 349.78,1095 254,1095 ; v1(453,1225) v1(427,1225) 381.35,1225 368.35,1212 ; v1@226.25,1095 240,1108.75 240,1109 ; v1@226.25,1095 254,1095 ; 240,1109 240,1186 ; 240,1109 254,1095 ; 240,1186 240,1208.18 ; 240,1186 251.09,1197.09 ; 240,1208.18 251.09,1197.09 ; 251.09,1197.09 262.18,1208.18 266,1212 ; 266,1212 339.65,1212 ; 339.65,1212 368.35,1212 ; 339.65,1212 v1(354,1197.65) 368.35,1212
NetD14_5: D14.5 F1.1 J14.A4 J14.A9 J14.B4 J14.B9 | length 832.7
  L1 w10: v1(2970.36,225) 2985.55,240.19 2985.55,256.99 J14.B9@2985.87,257.31 ; J14.A4@2995.71,320.3 v1(2995.71,354) ; J14.B4@3084.29,257.31 3084.61,256.99 3084.61,240.19 v1@3099.55,225.25 ; J14.A9@3094.13,320.3 v1(3094.13,354) ; v1@3099.55,225.11 v1@3099.55,225.25 ; v1(3099.8,225) v1@3099.55,225.25
  L1 w12: v1(2994,496.57) D14.5@3017.36,496.57 3017.36,534.05 F1.1@3017,534.41
  L1 w20: v1(2994,496.57) 2978,480.57 2978,371.71 v1(2995.71,354)
  L3 w12: v1(2994,496.57) v1@2994.85,495.72 ; v1@2994.85,354.85 v1(2995.71,354)
  L3 w20: v1(2970.36,225) 2985.36,240 ; 2981.54,236.18 2981.54,266 ; v1@2995.9,354 2981.54,339.65 2981.54,266 ; v1@3094.32,354 3098.54,349.78 3098.54,254 ; v1(3099.8,225) v1@3098.54,226.25 ; 2981.54,266 2985.36,262.18 2996.45,251.09 ; 2985.36,240 3007.54,240 ; 2985.36,240 2996.45,251.09 ; 2996.45,251.09 3007.54,240 ; 3007.54,240 3084.54,240 ; 3084.54,240 3098.54,254 ; 3084.54,240 3084.8,240 v1@3098.54,226.25 ; v1@3098.54,226.25 3098.54,254
NetJ1_1: J1.1 TP11.1 | length 275.9
  L1 w5.91: J1.1@700,92.32 669.68,92.32 661,101 661,192 674.52,205.52 697.85,205.52 701,208.68 v3(701,267)
  L4 w5.91: TP11.1@700,230.32 700.5,230.82 700.5,266.5 v3(701,267)
NetJ4_3: J4.3 TP43.1 | length 278.2
  L1 w5.91: J4.3@540,2107.68 509.68,2107.68 499.33,2097.33 499.33,1999.67 508,1991 538.68,1991 J4.3@540,1992.32 540.82,1991.5 540.82,1933.18 v3(541,1933)
  L4 w5.91: v3(541,1933) TP43.1@541,1964
NetJ11_A5: J11.A5 R95.2 | length 326.3
  L1 w5.91: J11.A5@320.3,1178.15 373.15,1178.15 v2(391,1196) v2@392,1197 ; R95.2@324.75,1400 v2(351,1400)
  L4 w5.91: v2(351,1400) 391,1360 v2(391,1196)
NetJ11_B5: J11.B5 R96.1 | length 532.5
  L1 w5.91: v2(173,1069.88) 232.06,1128.94 J11.B5@257.31,1128.94 ; v2(183,1400) R96.1@209.25,1400
  L4 w5.91: v2(173,1069.88) 137.12,1069.88 122,1085 122,1246 170,1294 170,1327 183,1340 v2(183,1400)
NetJ14_A5: J14.A5 R46.2 | length 314.3
  L1 w5.91: R46.2@2800,324.75 v2(2800,351) ; v1(3005,385) 3005,384.89 3015.39,374.49 J14.A5@3015.39,320.3
  L4 w5.91: v2(2800,351) 2823,351 2835,363 2909,363 2931,385 v1(3005,385)
NetJ14_B5: J14.B5 R94.1 | length 520.8
  L1 w5.91: v2(2800,183) R94.1@2800,209.25 ; J14.B5@3064.61,257.31 3064.61,232.7 3121.31,176 v1(3123.66,176)
  L4 w5.91: v2(2800,183) 2836.44,183 2850.44,169 2921,169 2961,129 3114,129 3123.66,138.66 v1(3123.66,176)
NetJRIO_1: JRIO.1 RIO.1 | length 43.4
  L1 w20: JRIO.1@2535,1000 RIO.1@2578.41,1000
NetJRMOD1_2: JRMOD1.2 Q1.3 | length 99.8
  L1 w5.91: JRMOD1.2@2435,327 2528.69,327 Q1.3@2533,322.69
NetJRMOD2_1: JRMOD2.1 Q2.2 R97.1 | length 113.9
  L1 w5.91: Q2.2@2571.4,561.69 2573,560.09 2573,504.75 2573.75,504 JRMOD2.1@2629,504
NetJRMOD3_2: JRMOD3.2 Q2.3 | length 104.4
  L1 w5.91: Q2.3@2534,648.31 2542.31,640 JRMOD3.2@2635,640
NetJRMOD4_1: JRMOD4.1 Q1.2 R98.1 | length 146.5
  L1 w5.91: JRMOD4.1@2418,475 2493.35,475 R98.1@2495.6,477.25 Q1.2@2495.6,409.31
NetJRMOD_1: JRMOD.1 RMOD.1 | length 44.4
  L1 w20: JRMOD.1@2535,1360 RMOD.1@2579.41,1360
NetQ1_1: Q1.1 R97.2 | length 63.9
  L1 w5.91: Q1.1@2570.4,409.31 R97.2@2570.4,473.25
NetQ2_1: Q2.1 R98.2 | length 55.4
  L1 w5.91: R98.2@2493,507.75 2493,558.09 Q2.1@2496.6,561.69
NetR37_1: R37.1 R38.1 R41.2 R42.2 U101.4 | length 198.2
  L1 w5.91: U101.4@602.76,442.6 602.76,420.24 613.75,409.25 R37.1@640,409.25 ; R38.1@673,409.25 R37.1@640,409.25 ; R38.1@674,409.25 R41.2@674,375.75 R42.2@640,375.75 R37.1@640,409.25
NetR39_1: R39.1 R40.2 U101.3 | length 97.7
  L1 w5.91: R40.2@460,375.75 R39.1@460,409.25 486.25,409.25 497.24,420.24 U101.3@497.24,442.6
NetR72_1: R72.1 U3.6 | length 37.8
  L1 w5.91: U3.6@3654.41,1886.42 R72.1@3654.41,1924.25
NetR73_1: R73.1 U3.4 | length 37.8
  L1 w5.91: U3.4@3705.59,1886.42 R73.1@3705.59,1924.25
NetR74_1: R74.1 U4.6 | length 37.8
  L1 w5.91: U4.6@3514.41,1886.42 R74.1@3514.41,1924.25
NetR75_1: R75.1 U4.4 | length 37.8
  L1 w5.91: U4.4@3565.59,1886.42 R75.1@3565.59,1924.25
NetR76_1: R76.1 U7.6 | length 37.8
  L1 w5.91: U7.6@3374.41,1886.42 R76.1@3374.41,1924.25
NetR77_2: R77.2 RGB1.1 | length 64.4
  L1 w5.91: R77.2@3878,1740.75 RGB1.1@3878,1805.19
NetR78_2: R78.2 RGB1.2 | length 426.7
  L1 w5.91: R78.2@3798,1740.75 3798,1878.42 3812.58,1893 3917,1893 3928,1882 3928,1849 3914.41,1835.41 3850.84,1835.41 3844.27,1828.83 RGB1.2@3844.27,1805.46
NetR79_2: R79.2 RGB1.3 | length 155.3
  L1 w5.91: R79.2@3838,1740.75 3838,1768.54 3816,1790.54 3816,1856 3822.54,1862.54 RGB1.3@3844.27,1862.54
NetR82_2: R82.2 R83.2 U6.3 | length 93.1
  L1 w5.91: U6.3@899.21,507.4 944.35,507.4 R83.2@950,501.75 R82.2@990,501.75
NetR84_2: R84.2 U108.6 | length 151.2
  L1 w5.91: R84.2@730.75,950 730.75,949.41 745.16,935 836.79,935 841,939.21 U108.6@873.62,939.21
NetR85_2: R85.2 U108.14 | length 126.4
  L1 w5.91: R85.2@787,753.25 787.59,753.25 802.84,738 832.28,738 841,746.72 841,773 846.78,778.78 870.67,778.78 U108.14@873.62,781.73
NetR86_1: R86.1 R90.2 U107.4 | length 85.6
  L1 w5.91: R86.1@855.14,1330 855.61,1329.53 U107.4@855.61,1294.53 887.19,1294.53 R90.2@900.14,1307.48
NetR89_1: R89.1 U107.6 | length 142.3
  L1 w5.91: R89.1@666,1263.75 666,1299 676,1309 709,1309 719,1299 719,1281.25 725.41,1274.84 U107.6@744.39,1274.84
NetR91_1: R91.1 R92.1 U109.16 | length 137.6
  L1 w5.91: R92.1@1173.44,778.7 R92.1@1169.75,775 R91.1@1202.25,775 1202.25,842.76 1194.39,850.63 U109.16@1173.44,850.63
NetR93_1: R93.1 U7.4 | length 37.8
  L1 w5.91: U7.4@3425.59,1886.42 R93.1@3425.59,1924.25
QSPI-CLK: U1.6 U2.6 U5.F1 | length 1926.5
  L1 w5.91: U2.6@3055,834.2 3055,925.08 3080,950.08 3080,1173 3055,1198 v1(3055,1219) U1.6@3055,1262.2 ; v3(3410,814) 3410,768.74 3520.77,657.98 3901.63,657.98 3975,731.35 U5.F1@3975,851.77
  L4 w5.91: v1(3055,1219) 3086.14,1187.86 3086.14,935.16 3207.3,814 v3(3410,814)
QSPI-CS0: U2.1 U5.C4 | length 957.9
  L1 w5.91: v1@3155,1062 v1(3155,1066) U2.1@3155,1109.8 ; v1(3705,981.69) 3722.32,981.69 3744.95,1004.33 3822.44,1004.33 U5.C4@3845.08,981.69
  L4 w5.91: v1(3155,1066) 3155,906 3167,894 3514,894 3601.69,981.69 v1(3705,981.69)
QSPI-CS1: U1.1 U5.E1 | length 1644.3
  L1 w5.91: v1(3155,1450) U1.1@3155,1537.8 ; v1(3404,924.86) 3479.86,849 3479.86,732.29 3530.55,681.6 3891.85,681.6 3936,725.75 3936,847.46 U5.E1@3931.69,851.77
  L4 w5.91: v1(3155,1450) 3190,1415 3262.7,1415 3310.88,1366.82 3310.88,962.12 3355,918 3393.49,918 3400.35,924.86 v1(3404,924.86)
QSPI-IO0: U1.5 U2.5 U5.D2 | length 1775.8
  L1 w5.91: U2.5@3005,834.2 3005,925 3030,950 3030,1173 3005,1198 v1(3005,1219) U1.5@3005,1262.2 ; v1(3847,814) 3865.75,832.75 3865.75,872.44 U5.D2@3888.39,895.08
  L4 w5.91: v1(3005,1219) 3024.19,1199.81 3024.19,930.24 3183.05,771.38 3249.7,771.38 3256.75,764.33 3471.43,764.33 3488.72,781.62 3658.35,781.62 3676.35,763.62 3805.36,763.62 3824.83,783.09 3824.83,791.83 v1(3847,814)
QSPI-IO1: U1.2 U2.2 U5.E2 | length 1873.4
  L1 w5.91: U2.2@3105,1109.8 v1(3105,1154) 3105,1173 3080,1198 3080,1375 3105,1400 U1.2@3105,1537.8 ; v1(3505.51,875.14) 3505.51,871.33 3497.3,863.12 3497.3,731.55 3535.44,693.41 3886.95,693.41 3919,725.46 3919,828.32 3911.02,836.29 3911.02,874.41 U5.E2@3931.69,895.08
  L4 w5.91: v1(3105,1154) 3105,933 3159.46,878.54 3492.14,878.54 3493.09,877.59 3503.06,877.59 v1(3505.51,875.14)
QSPI-IO2: U1.3 U2.3 U5.D1 | length 1756.5
  L1 w5.91: U2.3@3055,1109.8 v1(3055,1154) 3055,1173.08 3030,1198.08 3030,1375 3055,1400 U1.3@3055,1537.8 ; v1(3797.55,782.48) 3800.24,779.78 3800.24,771.42 3866.44,705.22 3882.06,705.22 3907,730.16 3907,819.32 3891.76,834.56 3891.76,848.4 U5.D1@3888.39,851.77
  L4 w5.91: v1(3055,1154) 3057.63,1151.37 3057.63,946.97 3209.29,795.3 3441.89,795.3 3448.64,802.05 3777.98,802.05 v1(3797.55,782.48)
QSPI-IO3: U1.7 U2.7 U5.F2 | length 2068.7
  L1 w5.91: U2.7@3105,834.2 3105,925 3130,950 3130,1173 3105,1198 v1(3105,1219) U1.7@3105,1262.2 ; v1(3461,783.19) 3461,734.45 3525.66,669.79 3896.74,669.79 3952.36,725.41 3952.36,872.44 U5.F2@3975,895.08
  L4 w5.91: v1(3105,1219) 3086.14,1237.86 3047.19,1237.86 3036.14,1226.81 3036.14,951.75 3204.7,783.19 v1(3461,783.19)
REFIO1/UART0-DTR: J5.3 R58.1 TP53.1 U103.13 | length 1052.9
  L1 w5.91: R58.1@1950,1715.75 1950,1733.03 1913.98,1769.05 U103.13@1913.98,1809.27 1913.98,1840.98 1920,1847 2415.2,1847 2500.2,1932 J5.3@2500.2,1992.32 ; J5.3@2500,1992.32 v2(2464,1992.32) 2464,2104.22 2467.46,2107.68 J5.3@2500,2107.68
  L4 w5.91: v2(2464,1992.32) TP53.1@2500,1968.5
REFIO6/UART0-CTS: J5.2 R57.1 TP52.1 U103.14 | length 976.1
  L1 w5.91: R57.1@1910,1715.75 1910,1734.03 1888.39,1755.65 1888.39,1852.39 1895,1859 2322,1859 2400,1937 J5.2@2400,1992.32 v2(2364,1992.32) 2364,2104.22 2367.46,2107.68 J5.2@2400,2107.68
  L4 w5.91: v2(2364,1992.32) TP52.1@2400,1968.5
REFIO7/UART0-DSR: J5.4 R59.1 TP54.1 U103.12 | length 1102.6
  L1 w5.91: U103.12@1939.57,1809.27 1939.57,1775.43 1982.13,1732.87 1982.13,1723.03 1989.41,1715.75 R59.1@1990,1715.75 2382.75,1715.75 2600,1933 J5.4@2600,1992.32 v2(2564,1992.32) 2564,2104.22 2567.46,2107.68 J5.4@2600,2107.68
  L4 w5.91: v2(2564,1992.32) TP54.1@2600,1968.5
REFIO10/FSPI-IO4: J3.1 R51.1 TP31.1 U102.12 | length 827.7
  L1 w5.91: R51.1@1130,1715.75 1129.41,1715.75 1122.13,1723.03 1122.13,1732.87 1079.57,1775.43 U102.12@1079.57,1809.27 1079.57,1875.57 1096,1892 1389,1892 1400,1903 J3.1@1400,1992.32 v2(1364,1992.32) 1364,2099.22 1372.46,2107.68 J3.1@1400,2107.68
  L4 w5.91: v2(1364,1992.32) TP31.1@1400,1968.5
REFIO14/FSPI-DQS: J3.2 R52.1 TP32.1 U103.20 | length 722.8
  L1 w5.91: J3.2@1500,2107.68 1467.46,2107.68 1464,2104.22 v2(1464,1992.32) J3.2@1500,1992.32 1500,1856 1546.73,1809.27 U103.20@1734.84,1809.27 1734.84,1759.84 1710,1735 R52.1@1710,1715.75
  L4 w5.91: v2(1464,1992.32) TP32.1@1500,1968.5
REFIO17/I2C-SCL: J5.8 R64.1 TP58.1 U104.16 | length 661
  L1 w5.91: R64.1@2780,1714.78 2787.2,1721.98 U104.16@2787.2,1809.27 2787.2,1873.39 2814.81,1901 2939,1901 2962,1924 v3(2962,1992.32) ; J5.8@2997.35,1992.32 v3(2962,1992.32) ; J5.8@3000,2107.68 2965.46,2107.68 2962,2104.22 v3(2962,1992.32)
  L4 w5.91: v3(2962,1992.32) 2977.68,1992.32 TP58.1@3001,1969
REFIO18/I2C-SDA: J5.7 R63.1 TP57.1 U104.17 | length 581.5
  L1 w5.91: R63.1@2740,1714.78 2740,1734.03 2761.61,1755.65 U104.17@2761.61,1809.27 2761.61,1868.8 2806.81,1914 2847,1914 2863.98,1930.98 v2(2863.98,1992.32) ; J5.7@2900,1992.32 v2(2863.98,1992.32) ; J5.7@2900,2107.68 2899.68,2108 2872,2108 2863.98,2099.98 v2(2863.98,1992.32)
  L4 w5.91: v2(2863.98,1992.32) 2865.3,1991 2877.51,1991 TP57.1@2900,1968.5
REFIO21: J4.2 R43.1 TP42.1 U102.20 | length 951.1
  L1 w5.91: J4.2@440,2107.68 414.12,2107.68 404,2097.56 404,2002 413.68,1992.32 J4.2@440,1992.32 v2(440,1933) 486.57,1886.43 486.57,1755.43 526.25,1715.75 R43.1@850,1715.75 850,1735 874.84,1759.84 U102.20@874.84,1809.27
  L4 w5.91: v2(440,1933) TP42.1@440,1968.5
REFIO33/FSPI-HD: J4.10 R50.1 TP40.1 U102.13 | length 676.3
  L1 w5.91: R50.1@1090,1715.75 1090,1733.03 1053.98,1769.05 U102.13@1053.98,1809.27 1053.98,1882.72 1078.25,1907 1218.62,1907 1240,1928.38 J4.10@1240,1992.32 v2(1204,1992.32) 1204,2099.22 1212.46,2107.68 J4.10@1240,2107.68
  L4 w5.91: v2(1204,1992.32) TP40.1@1240,1968.5
REFIO34/FSPI-CS0: J4.8 R48.1 TP48.1 U102.15 | length 523.5
  L1 w5.91: R48.1@1010,1715.75 1010,1747.9 1002.8,1755.1 U102.15@1002.8,1809.27 1002.8,1882.77 1040,1919.98 J4.8@1040,1992.32 v2(1004,1992.32) 1004,2104.22 1007.46,2107.68 J4.8@1040,2107.68
  L4 w5.91: v2(1004,1992.32) TP48.1@1040,1968.5
REFIO35/FSPI-D: J4.7 R47.1 TP47.1 U102.16 | length 522.5
  L1 w5.91: J4.7@940,2107.68 907.46,2107.68 904,2104.22 v2(904,1992.32) J4.7@940,1992.32 940,1920 977.2,1882.8 U102.16@977.2,1810.24 ; R47.1@970,1715.75 970,1748.44 977.2,1755.65 U102.16@977.2,1809.27
  L4 w5.91: v2(904,1992.32) TP47.1@940,1968.5
REFIO36/FSPI-CLK: J4.5 R44.1 TP45.1 U102.18 | length 682.6
  L1 w5.91: J4.5@740,2107.68 707.46,2107.68 704,2104.22 v2(704,1992.32) J4.5@740,1992.32 740,1933 760,1913 906,1913 926.02,1892.98 U102.18@926.02,1809.27 926.02,1770.05 890,1734.03 R44.1@890,1715.75
  L4 w5.91: v2(704,1992.32) TP45.1@740,1968.5
REFIO37/FSPI-Q: J4.6 R45.1 TP46.1 U102.17 | length 596
  L1 w5.91: J4.6@840,2107.68 807.46,2107.68 804,2104.22 v2(804,1992.32) J4.6@840,1992.32 840,1936 849,1927 910,1927 951.61,1885.39 U102.17@951.61,1809.27 951.61,1755.65 930,1734.03 R45.1@930,1715.75
  L4 w5.91: v2(804,1992.32) TP46.1@840,1968.5
REFIO38/FSPI-WP: J4.9 R49.1 TP49.1 U102.14 | length 591.3
  L1 w5.91: R49.1@1050,1715.75 1050,1734.03 1028.39,1755.65 U102.14@1028.39,1809.27 1028.39,1881.39 1069,1922 1127,1922 1140,1935 J4.9@1140,1992.32 v2(1104,1992.32) 1104,2099.22 1112.46,2107.68 J4.9@1140,2107.68
  L4 w5.91: v2(1104,1992.32) TP49.1@1140,1968.5
REFIO39: R65.1 TP139.1 TP603.1 U104.15 | length 674.2
  L1 w5.91: R65.1@2820,1714.78 2812.8,1721.98 U104.15@2812.8,1809.27 2812.8,1875.54 2826.25,1889 3179.5,1889 TP139.1@3218.5,1850 v1(3260,1850)
  L4 w5.91: TP603.1@3218.5,1850 v1(3260,1850)
REFIO40: R66.1 TP140.1 TP605.1 U104.14 | length 681.3
  L1 w5.91: R66.1@2860,1714.78 2860,1734.03 2838.39,1755.65 U104.14@2838.39,1809.27 2838.39,1867.54 2847.85,1877 3091.5,1877 TP140.1@3218.5,1750 v1(3260,1750)
  L4 w5.91: TP605.1@3218.5,1750 v1(3260,1750)
REFIO41: R67.1 TP143.1 TP607.1 U104.13 | length 675.7
  L1 w5.91: R67.1@2900,1714.78 2899.18,1715.59 2899.18,1733.85 2863.98,1769.05 U104.13@2863.98,1809.27 2863.98,1841.98 2884,1862 3006.5,1862 TP143.1@3218.5,1650 v1(3260,1650)
  L4 w5.91: TP607.1@3218.5,1650 v1(3260,1650)
REFIO42: R68.1 TP144.1 TP609.1 U104.12 | length 545.8
  L1 w5.91: U104.12@2889.57,1809.27 2889.57,1771.49 2932.25,1728.81 2932.25,1722.06 2939.53,1714.78 R68.1@2940,1714.78 ; R68.1@2940,1715.75 3052.76,1715.75 TP144.1@3218.5,1550 v1(3260,1550)
  L4 w5.91: TP609.1@3218.5,1550 v1(3260,1550)
REFIO43/UART0-TxD: J3.7 R54.1 TP37.1 U103.17 | length 652.7
  L1 w5.91: R54.1@1790,1715.75 1790,1734.03 1811.61,1755.65 U103.17@1811.61,1809.27 1811.61,1852.61 1854,1895 1957.5,1895 2000,1937.5 J3.7@2000,1992.32 v2(1964,1992.32) 1964,2104.22 1967.46,2107.68 J3.7@2000,2107.68
  L4 w5.91: v2(1964,1992.32) TP37.1@2000,1968.5
REFIO44/UART0-RxD: J3.8 R55.1 TP38.1 U103.16 | length 721.5
  L1 w5.91: R55.1@1830,1715.75 1830,1748.44 1837.2,1755.65 U103.16@1837.2,1809.27 1837.2,1852.41 1867.79,1883 2046.27,1883 2100,1936.73 J3.8@2100,1992.32 v2(2064,1992.32) 2064,2104.22 2067.46,2107.68 J3.8@2100,2107.68
  L4 w5.91: v2(2064,1992.32) TP38.1@2100,1968.5
REFIO45/UART0-RTS: J5.1 R56.1 TP51.1 U103.15 | length 895.3
  L1 w5.91: R56.1@1870,1715.75 1870,1747.9 1862.8,1755.1 U103.15@1862.8,1809.27 1862.8,1852.8 1881,1871 2233,1871 2300,1938 J5.1@2300,1992.32 v2(2264,1992.32) 2264,2104.22 2267.46,2107.68 J5.1@2300,2107.68
  L4 w5.91: v2(2264,1992.32) TP51.1@2300,1968.5
REFIO46: J3.6 R53.1 TP36.1 U103.18 | length 584.6
  L1 w5.91: R53.1@1750,1715.75 1750,1734.03 1786.02,1770.05 U103.18@1786.02,1809.27 1786.02,1853.02 1840,1907 1869.73,1907 1900,1937.27 J3.6@1900,1992.32 v2(1864,1992.32) 1864,2104.22 1867.46,2107.68 J3.6@1900,2107.68
  L4 w5.91: v2(1864,1992.32) TP36.1@1900,1968.5
REFIO47/SPI-CLKp: J5.5 R60.1 TP55.1 U104.20 | length 627.9
  L1 w5.91: R60.1@2660,1714.78 2660,1733.89 2684.84,1758.74 U104.20@2684.84,1809.27 2641.32,1809.27 2621,1829.59 2621,1894 2641,1914 2687,1914 2700,1927 J5.5@2700,1992.32 v2(2664,1992.32) 2664,2104.22 2667.46,2107.68 J5.5@2700,2107.68
  L4 w5.91: v2(2664,1992.32) TP55.1@2700,1968.5
REFIO48/SPI-CLKn: J5.6 R61.1 TP56.1 U104.18 | length 569.1
  L1 w5.91: R61.1@2700,1714.78 2700,1734.03 2736.02,1770.05 U104.18@2736.02,1809.27 2736.02,1910.02 2740,1914 2777,1914 2800,1937 J5.6@2800,1992.32 v2(2764,1992.32) 2764,2104.22 2767.46,2107.68 J5.6@2800,2107.68
  L4 w5.91: v2(2764,1992.32) TP56.1@2800,1968.5